# Altium PCB waffling60-ALPS.PcbDoc (part 3 of 3)
Units mm, origin at the board's own origin, x right, y up, seen from the top; angles counter-clockwise.
Board outline 284.7 x 94.21 mm, 2 copper layers (Component Side, Bottom Layer), stack 1.571 mm thick; 200 components, 133 nets, 779 pads, 177 vias.
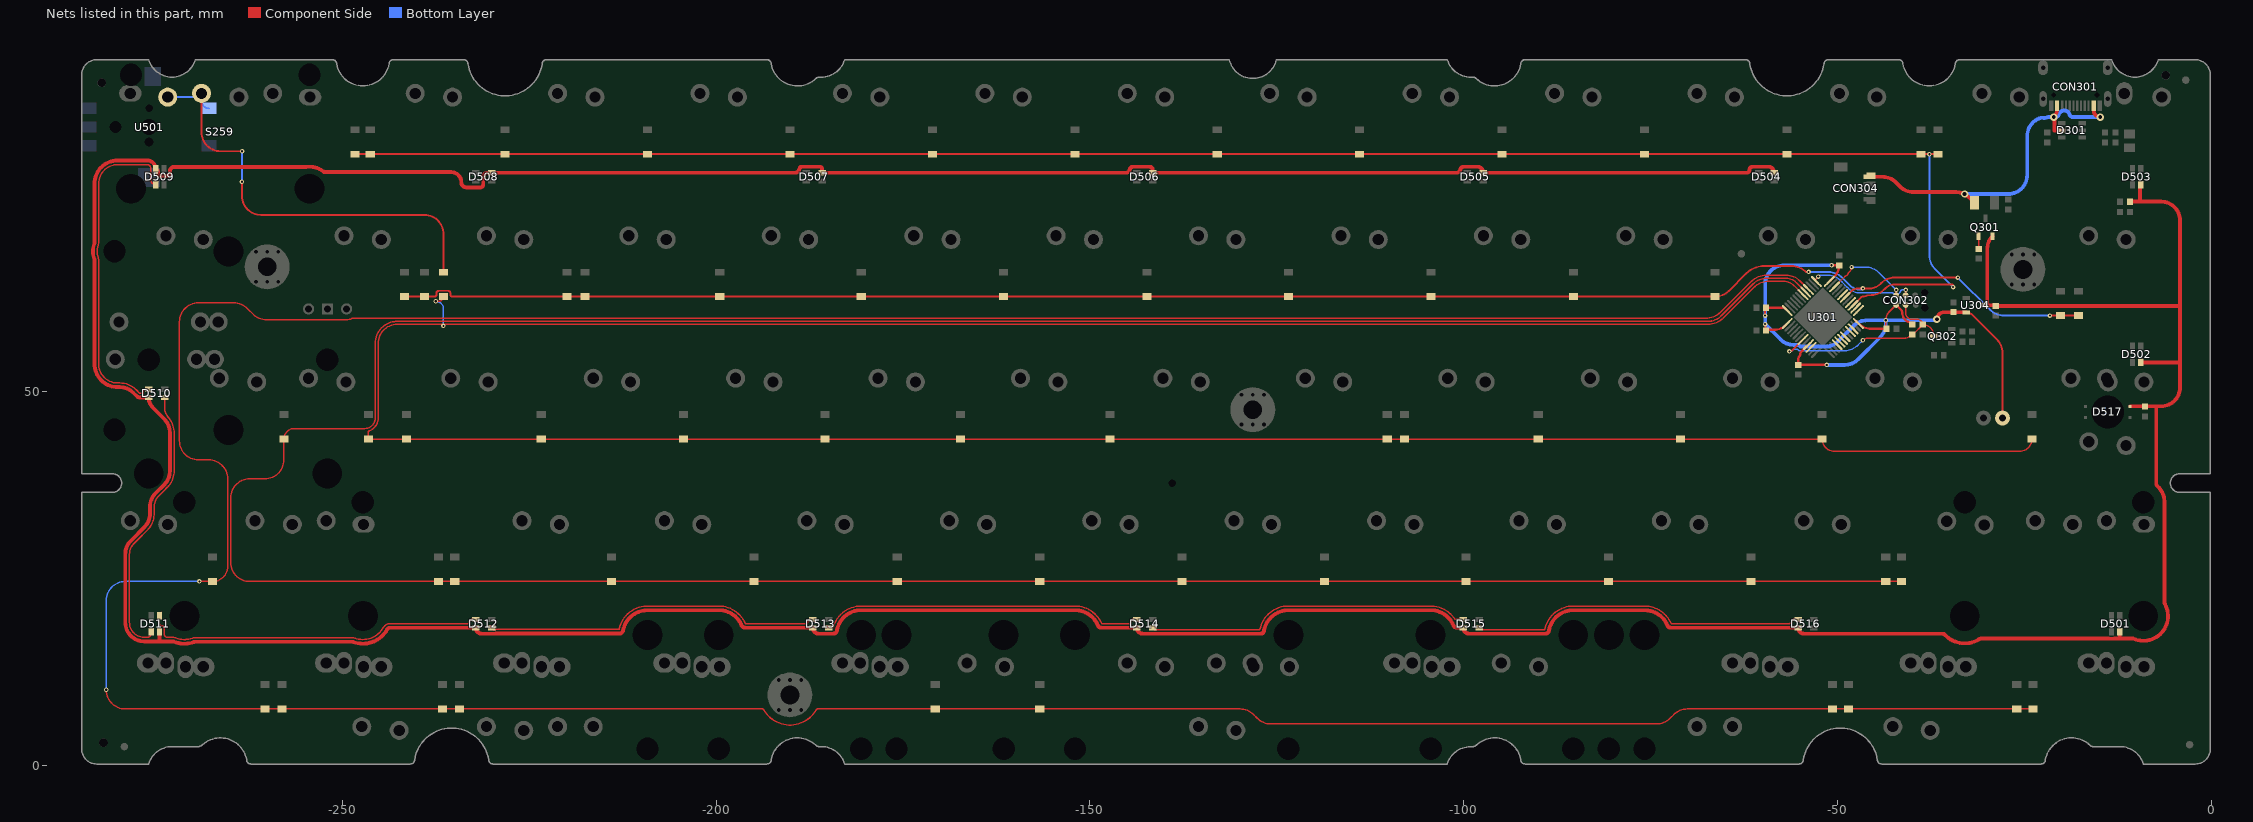
[diagram p3: the nets of this part, all layers, seen from the top]

## Via types
v1: diameter 0.6, hole 0.3, Component Side to Bottom Layer, tented both sides, 145 vias
v2: diameter 0.6, hole 0.3, Component Side to Bottom Layer, tented bottom, 25 vias
v3: diameter 1, hole 0.5, Component Side to Bottom Layer, tented both sides, 7 vias

## Nets (pads, with @x,y where several pads share a name; then routed paths per layer and width w, separated by ;. In a path a pad name is that pad's centre, name@x,y a point inside that pad or via, vN(x,y) a via of type N, cw(c..) or ccw(c..) an arc to the next point about the centre after c; other vN are vias at no path point) (continued)
NetD509_2: D509.2 D510.4 | length 44.4
  Component Side w0.203: -282.651,67.958 cw(c-283.645,67.58) -282.581,67.578 -282.581,53.721 ccw(c-280.041,53.721) -282.427,52.851 ccw(c-280.041,53.721) -282.29,52.54 ccw(c-280.041,53.721) -280.041,51.181 -279.761,51.181 cw(c-279.761,48.085) -277.572,50.275 ; -282.651,67.958 cw(c-280.471,68.783) -282.651,69.607 ccw(c-283.645,69.986) -282.581,69.988 -282.581,77.85 cw(c-280.041,77.85) -280.041,80.39 -279.654,80.39 -278.766,80.39 -277.749,80.39 -276.115,80.39 cw(c-276.115,79.883) -275.608,79.883 -275.608,78.337 ccw(c-274.956,78.337) D509.2@-274.956,77.685 ; -277.572,50.275 -277.109,49.812 ; -277.109,49.811 ccw(c-277.057,49.862) -277.057,49.79 -276.62,49.79 -276.616,49.794 cw(c-276.399,49.584) -276.606,49.803 -276.606,50.038 cw(c-276.31,50.038) -276.31,50.334 D510.4@-275.899,50.334
NetD510_2: D510.2 D511.4 | length 37
  Component Side w0.203: D511.4@-275.556,17.935 -275.556,17.687 cw(c-276.078,17.687) -276.078,17.165 -276.485,17.165 cw(c-276.485,19.149) -278.413,18.679 cw(c-276.485,19.149) -278.419,18.706 cw(c-278.221,18.75) -278.42,18.711 cw(c-275.923,19.177) -278.423,18.725 cw(c-275.923,19.177) -278.463,19.177 -278.463,28.285 cw(c-276.479,28.285) -277.881,29.689 -277.356,30.214 -276.067,31.503 ccw(c-278.257,33.691) -275.164,33.577 cw(c-274.961,33.567) -275.162,33.59 ccw(c-277.686,33.881) -275.146,33.881 -275.146,34.885 cw(c-273.177,34.635) -274.579,36.039 -273.864,36.755 -273.4,37.218 ccw(c-275.59,39.406) -272.532,38.928 ccw(c-275.59,39.406) -272.494,39.406 -272.494,44.541 ccw(c-275.59,44.541) -272.5,44.721 ; D510.2@-273.763,49.234 -273.763,47.948 ccw(c-271.603,47.948) -273.358,46.689 ccw(c-273.193,46.807) -273.342,46.669 ccw(c-273.193,46.807) -273.341,46.668 cw(c-275.59,44.541) -272.5,44.721
NetD511_2: D511.2 D512.4 | length 46.6
  Component Side w0.203: D511.2@-274.197,20.489 cw(c-274.396,20.449) -274.193,20.45 -274.193,20.328 cw(c-274.456,20.328) -274.207,20.242 D511.2@-274.456,20.065 -274.456,18.94 ccw(c-274.253,18.94) -274.253,18.737 -274.106,18.737 cw(c-274.106,18.435) -273.804,18.435 -273.804,17.554 ccw(c-273.415,17.552) -273.685,17.272 ccw(c-273.419,17.548) -273.418,17.165 -272.683,17.165 ; -272.682,17.165 cw(c-272.683,16.101) -272.292,17.091 cw(c-272.496,16.573) -272.29,17.09 ; -272.289,17.089 cw(c-272.683,16.101) -272.288,17.089 ccw(c-271.118,20.01) -271.973,16.981 ccw(c-271.118,20.01) -270.921,16.869 ccw(c-271.118,20.01) -270.812,16.878 ccw(c-271.118,20.01) -270.026,17.059 cw(c-269.654,16.062) -269.657,17.126 cw(c-269.655,16.57) -269.655,17.126 -248.706,17.126 ; -248.705,17.126 cw(c-248.706,16.062) -248.341,17.061 cw(c-248.531,16.539) -248.339,17.06 ; -248.336,17.06 ccw(c-247.242,20.01) -248.141,16.994 ccw(c-247.242,20.01) -246.973,16.875 cw(c-246.88,15.815) -246.92,16.878 cw(c-246.898,16.323) -246.918,16.878 cw(c-246.88,15.815) -246.915,16.878 ccw(c-246.938,17.543) -246.8,16.892 cw(c-246.576,15.853) -246.748,16.902 cw(c-246.657,16.354) -246.746,16.903 ; -246.744,16.903 ccw(c-247.242,20.01) -245.119,17.687 ccw(c-247.242,20.01) -244.502,18.463 cw(c-243.574,17.942) -243.578,19.006 cw(c-243.576,18.45) -243.576,19.006 -233.207,19.006 ccw(c-233.207,19.184) -233.043,19.114 ccw(c-233.207,19.184) -233.029,19.184 ccw(c-233.555,19.195) -233.029,19.195 cw(c-232.674,19.195) -232.674,19.55 D512.4@-232.154,19.55
NetD512_2: D512.2 D513.4 | length 45.9
  Component Side w0.203: D512.2@-230.024,18.45 ccw(c-229.763,18.45) -229.844,18.202 -229.53,18.202 cw(c-229.408,17.145) -229.412,18.209 cw(c-229.41,17.653) -229.41,18.209 -212.978,18.209 cw(c-209.174,17.47) -212.967,18.266 cw(c-209.174,17.47) -208.982,21.34 -199.842,21.34 cw(c-199.649,17.47) -199.649,21.345 cw(c-199.649,17.47) -196.103,19.033 cw(c-199.649,17.47) -196.091,19.006 -188.004,19.006 ccw(c-188.004,19.304) -187.706,19.304 cw(c-187.46,19.304) -187.46,19.55 D513.4@-187.071,19.55
NetD513_2: D513.2 D514.4 | length 43.9
  Component Side w0.203: D513.2@-184.941,18.45 -184.338,18.45 cw(c-180.589,17.47) -180.596,21.345 cw(c-180.595,20.789) -180.594,21.345 -152.037,21.345 cw(c-152.037,20.281) -152.022,21.345 cw(c-151.993,17.47) -148.435,19.006 -144.67,19.006 ccw(c-144.907,19.304) -144.526,19.304 cw(c-144.28,19.304) -144.28,19.55 D514.4@-143.721,19.55
NetD514_2: D514.2 D515.4 | length 43.8
  Component Side w0.203: D514.2@-141.591,18.45 ccw(c-141.343,18.45) -141.343,18.202 -127.254,18.202 cw(c-123.449,17.47) -123.44,21.345 -104.44,21.345 cw(c-104.431,17.47) -104.422,21.345 -104.376,21.345 cw(c-104.376,20.281) -104.33,21.344 -104.304,21.343 -104.283,21.342 cw(c-104.301,20.787) -104.281,21.342 cw(c-104.431,17.47) -101.162,19.55 D515.4@-100.071,19.55
NetD515_2: D515.2 D516.4 | length 45.6
  Component Side w0.203: D515.2@-97.941,18.45 -97.825,18.45 cw(c-97.825,18.034) -97.444,18.202 -89.155,18.202 cw(c-85.349,17.47) -88.786,19.261 cw(c-85.349,17.47) -85.326,21.345 -80.613,21.345 cw(c-80.59,17.47) -80.566,21.345 -79.121,21.345 -75.848,21.345 cw(c-75.824,17.47) -75.8,21.345 -75.751,21.345 cw(c-75.75,20.789) -75.75,21.345 cw(c-75.75,19.288) -75.576,21.337 -75.535,21.334 cw(c-75.824,17.47) -75.465,21.328 -75.422,21.324 cw(c-75.603,19.276) -75.285,21.307 -75.234,21.3 cw(c-75.824,17.47) -73.63,20.664 cw(c-75.824,17.47) -72.267,19.006 -56.432,19.006 ccw(c-56.432,19.304) -56.134,19.304 cw(c-55.888,19.304) -55.888,19.55 D516.4@-55.288,19.55
NetQ301_1: Q301.1 R307.1 | length 1.7
  Component Side w0.254: Q301.1@-31.176,70.809 cw(c-31.323,70.662) -31.115,70.662 R307.1@-31.115,69.103
NRST: C310.1 CON302.3 Q302.3 R303.2 U301.7 | length 28.1
  Component Side w0.203: v1(-56.434,55.394) ccw(c-56.434,55.906) -56.312,55.409 ccw(c-56.434,55.906) -56.072,55.544 U301.7@-54.781,56.836 ; v1(-46.609,56.896) cw(c-45.996,56.283) -46.522,56.972 cw(c-45.996,56.283) -45.996,57.15 -41.28,57.15 ccw(c-41.28,58.953) R303.2@-40.005,57.678 ccw(c-40.005,57.912) -39.839,57.747 C310.1@-38.608,58.978 ; CON302.3@-40.894,61.63 -40.894,60.579 ccw(c-40.005,60.579) -40.005,59.69 -39.32,59.69 cw(c-39.32,58.978) C310.1@-38.608,58.978 ; Q302.3@-37.141,57.439 -37.141,57.511 ccw(c-38.608,57.511) C310.1@-38.608,58.978
  Bottom Layer w0.203: v1(-56.434,55.394) cw(c-56.181,55.141) -56.181,55.499 -56.092,55.499 cw(c-55.626,55.118) -55.16,55.499 -49.058,55.499 ccw(c-49.058,58.039) -47.262,56.243 v1(-46.609,56.896)
PA0: U301.10
PA6: U301.16
PA7: U301.17
PA9: D215.2 D216.2 D217.2 D218.2 D219.2 D220.2 D221.2 D222.2 D223.2 D224.2 D225.2 D226.2 D227.2 D228.2 U301.30 | length 232.5
  Component Side w0.254: D227.2@-241.681,62.73 D228.2@-239.014,62.73 -237.665,62.73 ccw(c-237.665,62.984) -237.411,62.984 -237.411,63.185 cw(c-237.084,63.185) -237.084,63.512 -235.864,63.512 cw(c-235.864,63.185) -235.537,63.185 -235.537,62.984 ccw(c-235.283,62.984) -235.283,62.73 D226.2@-219.964,62.73 D225.2@-217.551,62.73 D224.2@-199.517,62.73 D223.2@-180.594,62.73 D218.2@-85.344,62.73 D217.2@-66.4,62.73 -66.364,62.73 ccw(c-66.364,65.27) -64.568,63.474 -62.206,65.836 cw(c-59.821,63.452) -62.204,65.837 cw(c-59.821,63.452) -60.314,66.787 ccw(c-60.35,67.039) -60.309,66.788 cw(c-59.886,64.284) -59.886,66.824 -56.198,66.824 cw(c-56.198,63.944) -54.331,66.136 cw(c-56.198,63.944) -54.263,66.076 ccw(c-54.093,66.265) -54.053,66.014 -53.91,66.037 cw(c-53.87,65.786) -53.87,66.04 v1@-53.848,66.04 ; U301.30@-48.806,62.811 -48.125,63.492 cw(c-47.319,62.686) -47.319,63.825 v1(-46.609,63.825) -45.684,63.825 ccw(c-45.684,65.75) -44.323,64.389 -44.178,64.534 cw(c-42.382,62.738) -42.382,65.278 v1(-33.909,65.278) ; v1(-21.59,60.198) -21.59,60.19 D216.2@-20.193,60.19 D215.2@-17.78,60.19
  Bottom Layer w0.254: v1(-53.877,66.024) -52.697,66.024 ccw(c-52.698,66.278) -52.664,66.026 cw(c-52.578,65.405) -52.492,66.026 ccw(c-52.458,66.278) -52.459,66.024 -51.201,66.024 cw(c-51.201,63.484) -49.405,65.28 cw(c-51.201,63.484) -49.401,65.276 -48.708,64.583 cw(c-49.008,64.277) -48.704,64.579 -48.395,64.27 ccw(c-46.903,65.764) -48.339,64.216 ccw(c-46.903,65.764) -46.895,63.652 ccw(c-46.896,63.906) -46.769,63.686 ccw(c-46.99,64.068) -46.678,63.756 v1(-46.609,63.825) ; v1(-33.909,65.278) -29.573,60.942 ccw(c-27.777,62.738) -27.777,60.198 v1(-21.59,60.198)
PA10: U301.31
PB0: U301.18
PB1: U301.19
PB4: D241.2 D256.2 D257.2 D258.2 D260.2 D261.2 D262.2 D263.2 D264.2 D265.2 D266.2 U301.40 | length 552.8
  Component Side w0.203: v1@-281.559,10.12 ccw(c-279.019,10.12) -279.019,7.58 D266.2@-260.35,7.58 D241.2@-258.064,7.58 D264.2@-236.601,7.58 D265.2@-234.315,7.58 -193.835,7.58 cw(c-193.836,7.326) -193.616,7.453 ccw(c-190.119,9.45) -186.622,7.453 cw(c-186.402,7.326) -186.403,7.58 D263.2@-170.688,7.58 D262.2@-156.718,7.58 -129.917,7.58 cw(c-129.917,5.04) -128.121,6.836 -127.609,6.324 ccw(c-125.813,8.12) -125.813,5.58 -74.204,5.58 ccw(c-74.204,8.12) -72.408,6.324 -71.896,6.836 cw(c-70.1,5.04) -70.1,7.58 D260.2@-50.673,7.58 D261.2@-48.514,7.58 D258.2@-26.035,7.58 D257.2@-23.876,7.58 ; v1(-269.113,24.63) D256.2@-267.335,24.63 ; D256.2@-266.827,24.691 D256.2@-266.862,24.687 ; U301.40@-54.074,63.872 -55.047,64.845 ccw(c-56.843,63.049) -56.843,65.589 -59.487,65.589 ccw(c-59.487,62.645) -61.568,64.727 -65.611,60.684 cw(c-67.691,62.766) -67.691,59.823 -248.656,59.823 ccw(c-248.655,59.62) -248.749,59.8 cw(c-249.428,61.087) -249.428,59.632 -260.128,59.632 cw(c-260.128,62.325) -261.616,60.08 cw(c-261.396,60.418) -261.627,60.088 cw(c-261.281,60.586) -261.747,60.198 -262.698,61.149 ccw(c-264.495,59.353) -264.495,61.893 -269.24,61.893 ccw(c-269.24,59.353) -271.78,59.353 -271.78,43.434 ccw(c-269.24,43.434) -269.24,40.894 -267.865,40.894 cw(c-267.865,38.354) -265.325,38.354 -265.325,26.64 cw(c-267.335,26.64) D256.2@-266.862,24.687 ; D256.2@-267.335,24.63 ccw(c-267.335,26.64) D256.2@-266.862,24.687 ; D256.2@-267.335,24.63 D256.2@-266.862,24.687
  Bottom Layer w0.203: v1(-281.559,10.16) -281.559,22.09 cw(c-279.019,22.09) -279.019,24.63 v1(-269.113,24.63)
PB5: D242.2 D243.2 D244.2 D245.2 D246.2 D247.2 D248.2 D249.2 D250.2 D251.2 D252.2 D253.2 D254.2 D255.2 U301.41 | length 465.8
  Component Side w0.203: U301.41@-54.427,63.518 -55.526,64.616 ccw(c-56.9,63.242) -56.9,65.185 -59.487,65.185 ccw(c-59.487,62.645) -61.283,64.441 -65.561,60.164 cw(c-67.357,61.96) -67.357,59.42 -242.855,59.42 ccw(c-242.854,59.217) -242.886,59.418 -242.999,59.4 cw(c-243.031,59.6) -243.005,59.399 ccw(c-242.652,56.477) -245.595,56.477 -245.595,46.495 cw(c-247.005,46.495) -247.005,45.085 -256.405,45.085 ccw(c-256.405,43.68) D242.2@-257.81,43.68 -257.81,40.894 cw(c-260.35,40.894) -260.35,38.354 -262.382,38.354 ccw(c-262.382,35.814) -264.922,35.814 -264.922,27.17 ccw(c-262.382,27.17) -262.382,24.63 D255.2@-237.109,24.63 D254.2@-234.95,24.63 D253.2@-213.995,24.63 D252.2@-194.945,24.63 D251.2@-175.768,24.63 D250.2@-156.718,24.63 D249.2@-137.668,24.63 D248.2@-118.618,24.63 D247.2@-99.695,24.63 D246.2@-80.645,24.63 D245.2@-61.595,24.63 D243.2@-43.561,24.63 D244.2@-41.468,24.63
PB6: D228_2.2 D229.2 D230.2 D231.2 D232.2 D233.2 D234.2 D235.2 D236.2 D237.2 D238.2 D239.2 D240.2 D259.2 U301.42 | length 437.6
  Component Side w0.203: v1(-237.49,62.103) -237.101,62.103 ccw(c-237.101,62.73) D259.2@-236.474,62.73 ; U301.42@-54.781,63.164 -55.816,64.199 ccw(c-57.223,62.792) -57.223,64.782 -59.153,64.782 ccw(c-59.153,61.839) -61.234,63.921 -65.277,59.878 cw(c-67.357,61.96) -67.357,59.017 -242.652,59.017 ccw(c-242.652,56.477) -245.192,56.477 -245.192,46.495 cw(c-247.005,46.495) -246.375,44.795 ccw(c-246.304,44.605) -246.507,44.606 D228_2.2@-246.507,43.68 D240.2@-241.427,43.68 D239.2@-223.393,43.68 D238.2@-204.343,43.68 D237.2@-185.42,43.68 D236.2@-167.32,43.68 D235.2@-147.32,43.68 D234.2@-110.236,43.68 D233.2@-107.95,43.68 D232.2@-90.043,43.68 D231.2@-70.993,43.68 -56.388,43.68 D230.2@-52.07,43.68 ccw(c-50.427,43.68) -50.427,42.037 -25.646,42.037 ccw(c-25.646,43.68) D229.2@-24.003,43.68
  Bottom Layer w0.203: v1(-237.49,62.103) cw(c-237.49,61.087) -236.474,61.087 v1(-236.474,58.801)
PB10: U301.21
PB11: U301.22
PB12: U301.25
PB13: U301.26
PB14: D201.2 D202.2 D203.2 D204.2 D205.2 D206.2 D207.2 D208.2 D209.2 D210.2 D211.2 D212.2 D213.2 D214.2 U301.27 | length 244.9
  Component Side w0.254: D214.2@-248.285,81.78 D213.2@-246.253,81.78 D212.2@-228.219,81.78 D211.2@-209.169,81.78 D210.2@-190.119,81.78 D209.2@-171.069,81.78 D208.2@-152.019,81.78 D207.2@-132.969,81.78 D206.2@-113.919,81.78 D205.2@-94.869,81.78 D204.2@-75.819,81.78 D203.2@-56.769,81.78 D202.2@-38.862,81.78 D201.2@-36.576,81.78 D201.2@-36.449,81.78 ; U301.27@-47.745,61.75 -46.967,62.528 cw(c-45.847,61.408) -46.766,62.698 cw(c-46.62,62.49) -46.619,62.744 ccw(c-46.609,63.825) -46.076,62.885 cw(c-45.952,62.663) -45.953,62.917 -45.684,62.917 ccw(c-45.684,65.75) -44.955,63.013 ccw(c-45.684,65.75) -43.68,63.748 -43.538,63.89 cw(c-42.382,62.738) -42.382,64.37 -34.805,64.37 cw(c-34.805,64.001) v1@-34.544,64.262
  Bottom Layer w0.254: v1(-37.719,81.788) -37.719,68.235 ccw(c-35.179,68.235) -36.975,66.439 v1(-34.544,64.008)
PB15: U301.28
RAW: CON301.A4B9 CON301.B4A9 CON304.1 D301.5 F301.2 | length 48.4
  Component Side w0.5: CON304.1@-45.212,78.75 -44.979,78.75 -43.988,78.75 cw(c-43.988,76.21) -42.192,78.006 -41.638,77.452 ccw(c-39.842,79.248) -39.842,76.708 -34.152,76.708 cw(c-34.152,74.168) -32.356,75.964 F301.2@-31.703,75.311 ; CON301.B4A9@-20.65,88.25 -20.65,87.784 cw(c-22.125,87.784) v3(-21.082,86.741) cw(c-21.294,86.529) -20.994,86.529 -20.994,85.638 ccw(c-20.544,85.638) -20.99,85.575 -20.99,84.963 D301.5@-20.044,84.963 ; CON301.A4B9@-15.75,88.25 -15.75,87.632 ccw(c-14.859,87.632) -15.007,86.753 ccw(c-14.859,87.632) v3(-14.859,86.741)
  Bottom Layer w0.5: v3(-33.02,76.454) -27.178,76.454 ccw(c-27.178,78.994) -24.638,78.994 -24.638,84.201 cw(c-22.098,84.201) -22.791,86.645 cw(c-22.655,86.163) -22.534,86.649 ccw(c-22.352,87.376) -22.037,86.695 cw(c-21.828,86.241) -21.83,86.741 v3(-21.082,86.741) -20.876,86.741 ccw(c-20.878,87.241) -20.401,87.091 cw(c-19.685,86.868) -19.17,87.413 ; -19.448,87.58 cw(c-19.685,86.868) -19.17,87.413 ; v3(-14.859,86.741) -18.494,86.741 cw(c-18.492,87.241) -18.969,87.09 ccw(c-19.685,86.868) -19.17,87.413
ROT_SW_A1: D259.1 S259.1 U501.2 | length 60.4
  Component Side w0.254: S259.1@-268.825,89.915 -268.825,84.709 ccw(c-266.285,84.709) -266.285,82.169 v1(-263.398,82.169) ; v1(-263.423,78.104) -263.423,76.2 ccw(c-260.883,76.2) -260.883,73.66 -239.014,73.66 cw(c-239.014,71.12) -236.474,71.12 D259.1@-236.474,66
  Bottom Layer w0.254: S259.1@-273.35,89.415 -269.325,89.415 ccw(c-269.325,89.915) S259.1@-268.825,89.915 -268.825,88.89 ccw(c-267.85,88.89) U501.2@-267.85,87.915 ; v1@-263.398,78.105 v1(-263.398,82.169)
SWCLK: CON302.4 U301.37 | length 14.1
  Component Side w0.203: U301.37@-53.013,64.932 -52.605,65.34 ccw(c-52.67,65.405) v1(-52.578,65.405) ; CON302.4@-40.894,62.9 v1(-40.894,63.627)
  Bottom Layer w0.203: v1@-52.451,65.532 cw(c-52.298,65.379) -52.298,65.595 -51.201,65.595 cw(c-51.201,63.484) -49.708,64.977 cw(c-51.201,63.484) -49.705,64.974 -49.009,64.278 cw(c-49.152,64.133) -49.008,64.277 -48.699,63.968 ccw(c-46.903,65.764) -46.903,63.224 -42.692,63.224 cw(c-42.693,63.021) -42.56,63.174 ccw(c-42.164,63.627) -41.582,63.474 cw(c-41.386,63.421) -41.419,63.621 cw(c-41.349,63.193) -41.349,63.627 v1(-40.894,63.627)
SWDIO: CON302.2 U301.34 | length 11.1
  Component Side w0.203: U301.34@-50.22,64.225 -49.017,65.428 cw(c-48.874,65.284) -48.944,65.474 ccw(c-49.149,66.04) -48.583,65.835 cw(c-48.393,65.765) -48.537,65.908 -48.39,66.055 ccw(c-49.01,66.675) v1(-48.133,66.675) ; CON302.2@-42.164,62.9 v1(-42.164,63.627)
  Bottom Layer w0.203: v1(-48.133,66.675) -46.264,66.675 cw(c-46.264,64.135) -44.468,65.931 v1(-42.164,63.627)
VCC: C307.2 C517.2 D501.1 D502.1 D503.1 D504.1 D505.1 D506.1 D507.1 D508.1 D509.1 D510.1 D511.1 D512.1 D513.1 D514.1 D515.1 D516.1 D517.1 Q301.2 R306.1 U304.3 | length 707.7
  Component Side w0.5: U304.3@-30.381,61.573 U304.3@-29.972,61.573 ; Q301.2@-29.276,70.809 ccw(c-27.596,69.129) -29.972,69.129 U304.3@-29.972,61.573 ; C307.2@-28.829,61.483 -4.191,61.483 -4.191,61.468 ; C307.2@-28.829,61.573 U304.3@-29.972,61.573
  Component Side w0.508: -274.456,16.927 D511.1@-274.456,17.935 ; -245.825,16.589 ccw(c-247.242,20.01) -244.744,17.277 ccw(c-247.242,20.01) -244.017,18.192 cw(c-243.574,17.942) -244.016,18.193 cw(c-243.574,17.942) -243.576,18.45 D512.1@-232.154,18.45 ccw(c-231.35,18.45) -231.35,17.646 -229.524,17.646 ccw(c-229.524,18.1) -229.468,17.649 cw(c-229.408,17.145) -229.41,17.653 -212.937,17.653 ccw(c-212.939,18.161) -212.439,18.068 cw(c-209.174,17.47) -211.577,19.76 cw(c-209.174,17.47) -208.997,20.784 -199.839,20.784 ccw(c-199.841,21.292) -199.817,20.785 ; -245.768,16.614 cw(c-247.242,20.01) -246.452,16.393 cw(c-247.242,20.01) -246.657,16.354 ccw(c-246.576,15.853) -246.683,16.349 cw(c-246.938,17.543) -246.898,16.323 ccw(c-246.88,15.815) -246.927,16.321 cw(c-247.242,20.01) -248.531,16.539 ccw(c-248.706,16.062) -248.705,16.57 -269.655,16.57 ccw(c-269.654,16.062) -269.833,16.538 cw(c-271.118,20.01) -272.496,16.573 ccw(c-272.683,16.101) -272.682,16.609 -276.485,16.609 cw(c-276.485,19.149) -279.025,19.149 -279.025,28.285 cw(c-276.485,28.285) -278.749,29.436 cw(c-276.485,28.285) -278.281,30.081 -276.467,31.895 ccw(c-278.263,33.691) -275.723,33.691 -275.723,34.635 cw(c-273.183,34.635) -274.979,36.431 -273.8,37.61 ccw(c-275.596,39.406) -273.056,39.406 -273.056,44.541 ccw(c-275.596,44.541) -273.8,46.337 -275.335,47.872 cw(c-273.972,49.234) D510.1@-275.899,49.234 -277.057,49.234 cw(c-277.057,49.862) -277.501,49.418 -277.964,49.881 ccw(c-279.761,48.085) -279.761,50.625 -280.041,50.625 cw(c-280.041,53.721) -281.322,50.903 cw(c-280.041,53.721) -283.137,53.721 -283.137,67.578 ccw(c-283.645,67.58) -283.17,67.76 cw(c-280.471,68.783) -283.17,69.806 ccw(c-283.645,69.986) -283.137,69.988 -283.137,77.85 cw(c-280.041,77.85) -283.125,78.119 cw(c-280.041,77.85) -280.041,80.946 -277.491,80.946 -276.086,80.946 cw(c-276.086,79.815) D509.1@-274.956,79.815 cw(c-275.168,79.353) -274.66,79.353 -274.66,79.315 ccw(c-274.206,79.315) -274.206,78.861 -273.506,78.861 ccw(c-273.506,79.315) -273.052,79.315 -273.052,79.52 cw(c-272.497,79.52) -272.497,80.074 -270.643,80.074 -254.901,80.074 ccw(c-254.901,80.582) -254.827,80.08 ccw(c-254.901,80.582) -254.825,80.08 cw(c-254.387,77.16) -253.913,80.075 cw(c-254.387,77.16) -252.581,79.496 ccw(c-252.27,79.898) -252.27,79.39 -238.258,79.39 -235.485,79.39 ; -235.464,79.39 cw(c-235.464,78.003) -234.077,78.003 -234.077,78 ccw(c-233.42,78) -233.424,77.343 ccw(c-233.417,79.39) -233.417,77.343 -231.527,77.343 ccw(c-231.527,77.724) -231.146,77.724 -231.146,78.734 cw(c-230.58,78.734) -230.58,79.3 D508.1@-230.024,79.3 -189.428,79.3 ccw(c-189.428,79.947) -189.232,79.33 ccw(c-189.386,79.815) -188.885,79.727 ; -199.842,20.784 cw(c-199.649,17.47) -199.817,20.785 ; -188.885,79.728 cw(c-188.438,79.65) -188.782,79.947 cw(c-188.624,79.947) -188.624,80.104 -186.158,80.104 cw(c-186.158,79.768) -185.822,79.768 -185.822,79.3 D507.1@-185.808,79.3 -145.242,79.3 -145.17,79.3 ccw(c-145.17,79.808) -144.669,79.725 cw(c-144.221,79.65) -144.221,80.104 -142.028,80.104 cw(c-142.028,79.667) -141.591,79.667 ; -149.305,19.417 cw(c-151.993,17.47) -148.934,18.759 ; D506.1@-141.591,79.3 -100.951,79.3 ccw(c-100.953,79.808) -100.507,79.565 ; -102.59,20.232 cw(c-104.431,17.47) -101.372,18.759 ccw(c-100.905,18.958) -100.907,18.45 D515.1@-100.071,18.45 ccw(c-99.267,18.45) -99.267,17.646 -89.046,17.646 ccw(c-89.046,18.08) -88.612,18.08 cw(c-85.349,17.47) -88.061,19.384 cw(c-85.349,17.47) -87.409,20.073 cw(c-85.349,17.47) -85.328,20.789 -83.82,20.789 -80.612,20.789 cw(c-80.59,17.47) -80.567,20.789 -75.847,20.789 cw(c-75.824,17.47) -75.802,20.789 -75.75,20.789 cw(c-75.75,19.288) -75.623,20.784 -75.579,20.78 cw(c-75.824,17.47) -75.516,20.775 -75.47,20.771 cw(c-75.603,19.276) -75.372,20.759 -75.317,20.75 cw(c-75.824,17.47) -72.766,18.759 ccw(c-72.298,18.958) -72.3,18.45 D516.1@-55.288,18.45 ccw(c-54.484,18.45) -54.484,17.646 -36.005,17.646 cw(c-36.007,17.138) -35.933,17.641 cw(c-36.007,17.138) -35.639,17.489 ccw(c-32.994,20.01) -31.157,16.852 cw(c-30.903,16.412) -31.148,16.857 -31.001,16.938 cw(c-30.755,16.493) -30.77,17.001 cw(c-30.755,16.493) -30.757,17.001 -13.9,17.001 cw(c-13.901,16.493) -13.799,16.991 ccw(c-13.706,17.435) -13.706,16.981 -13.006,16.981 ccw(c-13.006,17.435) -12.913,16.991 cw(c-12.811,16.493) -12.812,17.001 -12.256,17.001 ; -102.183,19.912 ccw(c-104.431,17.47) -104.121,20.775 ccw(c-104.431,17.47) -104.301,20.787 -104.324,20.787 cw(c-104.306,21.295) -104.327,20.788 -104.355,20.789 ccw(c-104.376,20.281) -104.376,20.789 -104.423,20.789 ccw(c-104.431,17.47) -104.439,20.789 -123.441,20.789 ccw(c-123.449,17.47) -123.669,20.782 ccw(c-123.449,17.47) -126.712,18.079 cw(c-127.145,18.079) -127.145,17.646 -142.917,17.646 cw(c-142.917,18.45) D514.1@-143.721,18.45 -148.468,18.45 cw(c-148.467,18.958) -148.934,18.759 ; -100.506,79.567 cw(c-100.018,79.3) -100.458,79.64 -100.458,79.65 cw(c-100.004,79.65) -100.004,80.104 -98.178,80.104 cw(c-98.178,79.3) D505.1@-97.374,79.3 -62.18,79.3 ccw(c-62.18,79.706) -62.158,79.301 ccw(c-62.18,79.706) -61.774,79.706 cw(c-61.376,79.706) -61.376,80.104 -59.245,80.104 cw(c-59.245,79.393) -58.534,79.393 D504.1@-58.441,79.3 ; D501.1@-12.256,17.935 -12.256,17.001 ; R306.1@-10.907,75.438 -9.219,75.438 ; D517.1@-10.857,48.065 -7.366,48.065 ; D502.1@-9.456,53.935 -4.191,53.935 ; D503.1@-9.456,77.685 -9.552,77.622 -9.552,75.771 ccw(c-9.219,75.771) -9.219,75.438 ; -5.81,19.802 ccw(c-9.118,20.01) -6.208,21.597 ; -4.191,61.468 -4.191,53.935 ; -4.191,61.483 -4.191,72.898 ccw(c-6.731,72.898) -6.731,75.438 -9.219,75.438 ; -199.817,20.785 cw(c-199.649,17.47) -199.649,20.789 ; -199.817,20.785 cw(c-199.649,17.47) -199.649,20.789 ; -199.649,20.789 cw(c-199.649,17.47) -196.675,18.943 cw(c-199.649,17.47) -196.59,18.759 ccw(c-196.123,18.958) -196.125,18.45 D513.1@-187.071,18.45 ccw(c-186.267,18.45) -186.267,17.646 -184.324,17.646 ccw(c-184.324,18.127) -183.843,18.127 cw(c-180.589,17.47) -180.595,20.789 -152.037,20.789 cw(c-152.037,20.281) -152.026,20.789 -152.025,20.789 cw(c-151.993,17.47) -150.368,20.364 cw(c-151.993,17.47) -148.934,18.759 ; -12.256,17.001 -10.721,17.001 ccw(c-10.721,19.541) -10.635,17.002 cw(c-10.619,16.495) -10.421,16.962 ccw(c-9.118,20.01) -6.209,21.597 ; -7.366,48.065 -7.366,37.951 cw(c-8.233,37.951) -7.376,37.821 ccw(c-6.873,37.746) -7.214,37.37 cw(c-9.118,35.25) -6.878,37.01 cw(c-9.118,35.25) -6.406,36.123 cw(c-9.118,35.25) -6.27,35.195 ccw(c-5.762,35.187) -6.27,35.189 -6.27,21.837 ccw(c-5.762,21.839) -6.209,21.597 ; -7.366,48.065 -6.731,48.065 ccw(c-6.731,50.605) -4.191,50.605 -4.191,53.935
VCC3V3: C301.2 C302.2 C303.2 C304.2 C305.2 C308.2 CON302.1 CON303.2 R303.1 U301.1 U301.9 U301.24 U301.36 U301.48 U304.2 | length 102.4
  Component Side w0.203: C301.2@-43.449,58.42 -43.561,58.532 v1(-43.561,59.563) cw(c-41.943,59.563) -43.087,60.707 CON302.1@-42.164,61.63
  Component Side w0.254: U304.2@-32.781,60.623 cw(c-32.781,59.466) -31.963,60.284 -28.684,57.005 cw(c-30.48,55.209) -27.94,55.209 CON303.2@-27.94,46.482
  Component Side w0.3: v1(-59.69,59.055) -59.633,58.998 -59.633,58.286 -58.523,58.286 ccw(c-58.523,60.578) -56.914,58.945 ccw(c-58.523,60.578) U301.1@-56.902,58.957 ; v1(-59.69,60.198) -59.69,61.107 cw(c-59.548,61.107) C304.2@-59.548,61.249 -57.4,61.249 cw(c-57.4,60.545) U301.48@-56.902,61.043 ; U301.9@-54.074,56.129 -54.891,55.311 ccw(c-54.676,55.102) -54.976,55.108 cw(c-55.626,55.118) -55.158,54.667 ccw(c-54.941,54.46) -55.237,54.51 ccw(c-54.632,54.41) -55.245,54.41 C302.2@-55.245,53.609 -51.48,53.609 cw(c-51.48,53.558) v1(-51.444,53.594) ; U301.36@-50.927,64.932 -50.377,65.482 ccw(c-51.809,66.914) C303.2@-49.784,66.914 -50.8,66.914 v1(-50.8,66.929) ; U301.24@-47.621,59.54 U301.24@-47.451,59.37 ; U301.24@-47.451,59.37 -47.445,59.364 -47.231,59.15 ccw(c-45.449,60.96) -45.449,58.42 C301.2@-43.449,58.42 ; CON302.1@-42.164,61.63 -41.51,60.976 cw(c-41.907,60.579) -41.461,60.92 cw(c-41.907,60.579) -41.346,60.579 ccw(c-40.005,60.579) -41.204,59.979 ccw(c-40.005,60.579) -40.005,59.238 R303.1@-39.878,59.238 ; U304.2@-32.825,60.641 cw(c-32.825,60.579) U304.2@-32.781,60.623
  Component Side w0.5: v3(-36.703,59.69) cw(c-35.752,59.69) -35.925,60.625 cw(c-35.752,59.69) -35.752,60.641 C308.2@-34.487,60.641 U304.2@-32.825,60.641
  Bottom Layer w0.5: v1(-51.444,53.594) -49.058,53.594 ccw(c-49.058,56.134) -47.262,54.338 -44.305,57.295 ccw(c-46.101,59.091) -43.561,59.091 v1(-43.561,59.563) ; v1(-50.8,66.929) -57.15,66.929 ccw(c-57.15,64.389) -59.69,64.389 v1(-59.69,60.198) v1(-59.69,59.055) -57.65,57.015 ccw(c-55.854,58.811) -55.854,56.271 -55.636,56.271 cw(c-55.626,55.118) -54.948,56.051 ccw(c-54.938,57.203) -54.938,56.051 -51.257,56.051 ccw(c-51.725,58.547) -49.929,56.751 -47.861,58.819 cw(c-46.065,57.023) -46.065,59.563 v1(-43.561,59.563) ; v3(-36.703,59.69) -36.838,59.69 -36.965,59.563 v1(-43.561,59.563)
pads on no net: CON301. CON301.A8 CON301.B8 CON302.0 CON302.6 D301.1 D301.6 D517. D517.2 FID1.0 FID2.0 FID3.0 FID4.0 S201. S202. S203. S204. S205. S206. S207. S208. S209. S210. S211. S212. S213. S214. S215. S216. S217. S218. S219. S220. S221. S222. S223. S224. S225. S226. S227. S228. S228_2. S229. S230. S231. S232. S233. S234. S235. S236. S237. S238. S239. S240. S241. S242. S243. S244. S245. S246. S247. S248. S249. S250. S251. S252. S253. S254. S256. S257. S258. S259. S260. S261. S261_1. S261_2. S262. S262_1. S263. S263_1. S263_2. S264. S264_2. S265. S265_2. S266. S269. STAB1. U501. U501.M

## Polygon pours and split planes (outlines as drawn)
GND on Bottom Layer "Component Side-No Net" (hatched 45Degree grid 1.397 track 0.203, remove dead copper, pour order 0): -0.635,93.995 -0.635,0.65 -284.607,0.65 -284.607,93.995
GND on Component Side "Component Side-No Net" (hatched 45Degree grid 1.397 track 0.203, remove dead copper, pour order 1): -0.635,93.995 -0.635,0.65 -284.607,0.65 -284.607,93.995

## Other copper
Component Side:
  region net GND: 1746 vertices and 2 holes, not listed, extent -118.967,6.898 -113.055,13.037

## Silkscreen, mask and mechanical layers (free items; w line width, h text height)
Top Overlay:
  text "ENC" at -252.984,62.865 h0.75
  text "B" at -254.889,58.42 h0.75
  text "GND" at -252.984,58.42 h0.75
  text "A" at -249.555,58.42 h0.75
  text "BL/RESET" at -32.051,48.352 h0.75
  text "Waffling: adj. or verb - indecisive; unable to make up one's mind; playing the safe middle ground due to one's own lack of conviction or sense of morality." at -244.094,39.751 h2.9
  text "Waffling60  -E2" at -147.955,8.509 h3
  text "ALPS" at -133.858,7.874 h1.5
Bottom Overlay:
  circle w0.7: c-217.366,29.027 r0.3
  circle w0.7: c-236.416,29.027 r0.3
  circle w0.7: c-66.299,9.215 r0.3
  circle w0.7: c-40.106,9.215 r0.3
  circle w0.7: c-13.97,6.5 r0.3
  circle w0.7: c-142.494,6.5 r0.3
  circle w0.7: c-271.145,6.5 r0.3
  circle w0.7: c-244.893,9.215 r0.3
  circle w0.7: c-218.699,9.215 r0.3
  circle w0.7: c-125.823,9.215 r0.3
  circle w0.4: c-13.944,9.235 r0.75
  circle w0.4: c-37.756,9.235 r0.75
  circle w0.4: c-61.569,9.235 r0.75
  circle w0.4: c-142.531,9.235 r0.75
  circle w0.4: c-271.119,9.235 r0.75
  circle w0.4: c-247.306,9.235 r0.75
  circle w0.4: c-223.494,9.235 r0.75
  circle w0.4: c-217.239,24.709 r0.75
  circle w0.4: c-236.289,24.709 r0.75
  lines w0.2: -241.114,21.971 -213.114,21.971 ; -240.284,17.907 -214.122,17.907 ; -238.506,26.289 -214.506,26.289 ; -234.397,20.645 -232.029,20.645 ; -233.889,29.027 -231.521,29.027 ; -233.762,24.709 -231.394,24.709 ; -222.559,20.645 -220.191,20.645 ; -222.051,29.027 -219.683,29.027 ; -221.924,24.709 -219.556,24.709 ; -235.104,20.645 -234.397,21.352 -234.397,19.938 -235.104,20.645 ; -234.596,29.027 -233.889,29.734 -233.889,28.32 -234.596,29.027 ; -234.469,24.709 -233.762,24.002 -233.762,25.416 -234.469,24.709 ; -220.191,19.938 -219.484,20.645 -220.191,21.352 -220.191,19.938 ; -219.683,28.32 -218.976,29.027 -219.683,29.734 -219.683,28.32 ; -219.556,24.002 -219.556,25.416 -218.849,24.709 -219.556,24.002
  text "Dots shows AEK layout, 6.5U space" at -214.63,26.793 h0.75
  text "Circles shows Tsangan layout, 7U space" at -213.36,22.475 h0.75
  text "< 10U" at -209.406,20.066 h1.52 r270
  text "< 7U" at -200.008,20.066 h1.52 r270
  text "< 6.25U" at -181.212,20.066 h1.52 r270
  text "< 2.75U" at -176.259,20.066 h1.52 r270
  text "< 3U" at -162.035,20.066 h1.52 r270
  text "< 2.75U" at -152.51,20.066 h1.52 r270
  text "< 2.25U" at -104.885,20.066 h1.52 r270
  text "< 7U" at -85.708,20.066 h1.52 r270
  text "< 10U" at -76.183,20.066 h1.52 r270
  text "x" at -237.725,19.958 h1.75
  text "x" at -218.167,19.958 h1.75
  text "< 3U" at -123.935,19.939 h1.52 r270
  text "< 6.25U" at -81.009,19.939 h1.52 r270
  text "X shows 6.25U space with 1.25U mods" at -214.63,18.411 h0.75
  text "< 6U" at -183.261,17.035 h1.52
  text "< 6U" at -88.011,16.908 h1.52
  text "< 3U" at -202.819,16.781 h1.52
  text "< 2.25U" at -80.043,15.001 h1.52 r90
  text "< 3U" at -84.737,14.874 h1.52 r90
  text "x" at -274.047,8.655 h1.75
  text "x" at -250.298,8.655 h1.75
  text "x" at -226.422,8.655 h1.75
  text "x" at -202.673,8.655 h1.75
  text "x" at -59.671,8.655 h1.75
  text "x" at -35.922,8.655 h1.75
  text "x" at -12.046,8.655 h1.75
  text "x" at -131.172,8.528 h1.75
Top Solder:
  drawing of 2 lines, arcs and shapes, not listed
outline:
  lines w0.1: -131.361,94.414 ccw(c-128.211,95.149) -125.061,94.415 ; -131.361,94.415 -182.809,94.415 cw(c-185.924,95.339) -185.925,92.09 -186.179,92.09 ccw(c-186.18,91.366) -186.692,91.878 cw(c-189.125,94.471) -192.625,93.844 ccw(c-193.195,93.845) -193.196,94.415 -222.695,94.415 ccw(c-222.696,93.845) -223.266,93.844 cw(c-228.225,94.614) -233.184,93.844 ccw(c-233.754,93.845) -233.755,94.415 -243.178,94.415 ccw(c-243.179,93.845) -243.749,93.844 cw(c-247.249,94.471) -250.749,93.844 ccw(c-251.319,93.845) -251.32,94.415 -269.659,94.415 cw(c-272.775,95.341) -275.891,94.415 -282.85,94.415 ccw(c-282.849,92.414) -284.85,92.415 -284.85,39.215 -284.85,39.04 -280.759,39.04 cw(c-280.759,37.79) -280.759,36.54 -284.85,36.54 -284.85,2.215 ccw(c-282.849,2.216) -282.85,0.215 -275.891,0.215 cw(c-272.776,-0.709) -272.775,2.54 -269.318,2.54 ccw(c-269.319,3.455) -268.672,2.808 cw(c-266.3,0.158) -262.799,0.786 ccw(c-262.229,0.785) -262.228,0.215 -240.884,0.215 ccw(c-240.885,0.772) -240.328,0.771 cw(c-235.369,0.001) -230.41,0.771 ccw(c-229.853,0.772) -229.854,0.215 -193.196,0.215 ccw(c-193.195,0.785) -192.625,0.786 cw(c-189.125,0.16) -186.682,2.743 ccw(c-186.19,3.237) -186.193,2.54 -185.925,2.54 cw(c-185.924,-0.709) -182.809,0.215 -102.203,0.215 ; -125.061,94.415 -102.191,94.415 ccw(c-99.076,95.339) -99.075,92.09 -98.849,92.09 cw(c-98.85,91.29) -98.285,91.856 ccw(c-95.875,94.471) -92.375,93.844 cw(c-91.805,93.845) -91.804,94.415 -62.305,94.415 cw(c-62.304,93.845) -61.734,93.844 ccw(c-56.775,94.615) -51.816,93.844 cw(c-51.246,93.845) -51.245,94.415 -41.822,94.415 cw(c-41.821,93.845) -41.251,93.844 ccw(c-37.751,94.471) -34.251,93.844 cw(c-33.681,93.845) -33.68,94.415 -13.341,94.415 ccw(c-10.225,95.341) -7.109,94.415 -2.15,94.415 cw(c-2.151,92.414) -0.15,92.415 -0.15,39.04 -4.241,39.04 ccw(c-4.241,37.79) -4.241,36.54 -0.15,36.54 ; -102.203,0.204 cw(c-99.088,-0.72) -99.087,2.529 -98.833,2.529 ccw(c-98.832,3.253) -98.32,2.741 cw(c-95.875,0.159) -92.375,0.786 ccw(c-91.805,0.785) -91.804,0.215 -55.146,0.215 ccw(c-55.147,0.772) -54.59,0.771 cw(c-49.631,0.001) -44.672,0.771 ccw(c-44.115,0.772) -44.116,0.215 -22.772,0.215 ccw(c-22.771,0.785) -22.201,0.786 cw(c-18.701,0.16) -16.234,2.72 ccw(c-15.799,3.155) -15.8,2.54 -12.225,2.54 cw(c-12.224,-0.709) -9.109,0.215 -2.15,0.215 ccw(c-2.151,2.216) -0.15,2.215 -0.15,36.543
Mechanical 2:
  drawing of 258 lines, arcs and shapes, not listed
  text "USB" at -16.383,90.424 h1.52
  text "ESC" at -7.034,78.779 h1.52
  text "REG-SPLIT" at -83.566,22.225 h1.52
  text "REG-SPLIT" at -154.686,21.717 h1.52
  text "REG+INF" at -51.667,21.64 h1.52
  text "TSANG-SPLIT" at -99.314,21.59 h1.52
  text "6U" at -203.2,21.463 h1.52
  text "TSANG-SPLIT" at -175.945,21.358 h1.52
  text "REG+INF" at -4.064,21.336 h1.52
  text "6.25U" at -193.421,21.209 h1.52
  text "TSANG" at -216.154,21.082 h1.52
  text "7U+6U offset" at -142.621,21.082 h1.52
  text "6U" at -131.699,21.082 h1.52
  text "REG+INF" at -27.918,21.005 h1.52
  text "TSANG" at -263.271,20.955 h1.52
  text "TSANG" at -239.776,20.955 h1.52
  text "6.25U" at -121.92,20.828 h1.52
  text "REG+INF" at -224.028,17.399 h1.52
  text "REG+INF" at -271.145,17.272 h1.52
  text "REG+INF" at -247.65,17.272 h1.52
  text "TSANG" at -11.684,17.145 h1.52
  text "TSANG" at -36.322,16.891 h1.52
  text "TSANG" at -59.69,16.764 h1.52
  text "REG-SPLIT" at -112.141,16.51 h1.52
  text "6U" at -231.14,12.573 h1.52
  text "AEK" at -265.176,4.191 h1.52
  text "AEK" at -7.62,3.175 h1.52
  text "AEK 2.75 split" at -155.194,2.159 h1.52
  text "AEK" at -211.995,2.032 h1.52
  text "AEK" at -135.795,2.032 h1.52
  text "AEK" at -59.595,2.032 h1.52
  text "AEK" at -33.401,2.032 h1.52
  text "AEK 2.75 split" at -106.553,1.651 h1.52
  text "AEK" at -244.094,1.143 h1.52
Mechanical 7:
  circle w0.254: c-273.468,9.215 r0.992
  circle w0.254: c-271.087,9.215 r0.992
  circle w0.254: c-249.656,9.215 r0.992
  circle w0.254: c-247.274,9.215 r0.992
  circle w0.254: c-225.843,9.215 r0.992
  circle w0.254: c-223.462,9.215 r0.992
  circle w0.254: c-202.031,9.215 r0.992
  circle w0.254: c-180.599,9.215 r0.992
  circle w0.254: c-163.931,9.215 r0.992
  circle w0.254: c-151.931,9.215 r0.992
  circle w0.254: c-142.499,9.215 r0.992
  circle w0.254: c-130.593,9.215 r0.992
  circle w0.254: c-125.823,9.215 r0.992
  circle w0.254: c-104.399,9.215 r0.992
  circle w0.254: c-92.493,9.215 r0.992
  circle w0.254: c-80.587,9.215 r0.992
  circle w0.254: c-61.537,9.215 r0.992
  circle w0.254: c-59.156,9.215 r0.992
  circle w0.254: c-56.774,9.215 r0.992
  circle w0.254: c-37.724,9.215 r0.992
  circle w0.254: c-35.343,9.215 r0.992
  circle w0.254: c-13.912,9.215 r0.992
  circle w0.254: c-11.531,9.215 r0.992
  circle w0.254: c-85.349,17.47 r0.992
  circle w0.254: c-80.59,17.47 r0.992
  circle w0.254: c-75.824,17.47 r0.992
  circle w0.254: c-75.824,2.23 r0.992
  circle w0.254: c-80.59,2.23 r0.992
  circle w0.254: c-85.349,2.23 r0.992
  circle w0.254: c-104.431,17.47 r0.992
  circle w0.254: c-104.431,2.23 r0.992
  circle w0.254: c-123.449,2.23 r0.992
  circle w0.254: c-123.449,17.47 r0.992
  circle w0.254: c-151.993,17.47 r0.992
  circle w0.254: c-151.993,2.23 r0.992
  circle w0.254: c-161.549,2.23 r0.992
  circle w0.254: c-161.549,17.47 r0.992
  circle w0.254: c-180.589,17.47 r0.992
  circle w0.254: c-175.869,17.47 r0.992
  circle w0.254: c-175.869,2.23 r0.992
  circle w0.254: c-180.589,2.23 r0.992
  circle w0.254: c-199.649,2.23 r0.992
  circle w0.254: c-199.649,17.47 r0.992
  circle w0.254: c-209.174,17.47 r0.992
  circle w0.254: c-209.174,2.23 r0.992
Mechanical 16:
  drawing of 548 lines, arcs and shapes, not listed

## Text inside footprints (layer, text, board x,y; h text height)
CON301: Mechanical 15 "connector edge" at -15.25,95.5 h1 r180
S262: Mechanical 16 "7U" at -208.331,7.365 h1.52 r270; Mechanical 16 "6.25U" at -188.764,5.615 h1.52 r270